# Altium PCB motordriver-v5.1_willem.PcbDoc (part 6 of 6) (continued)
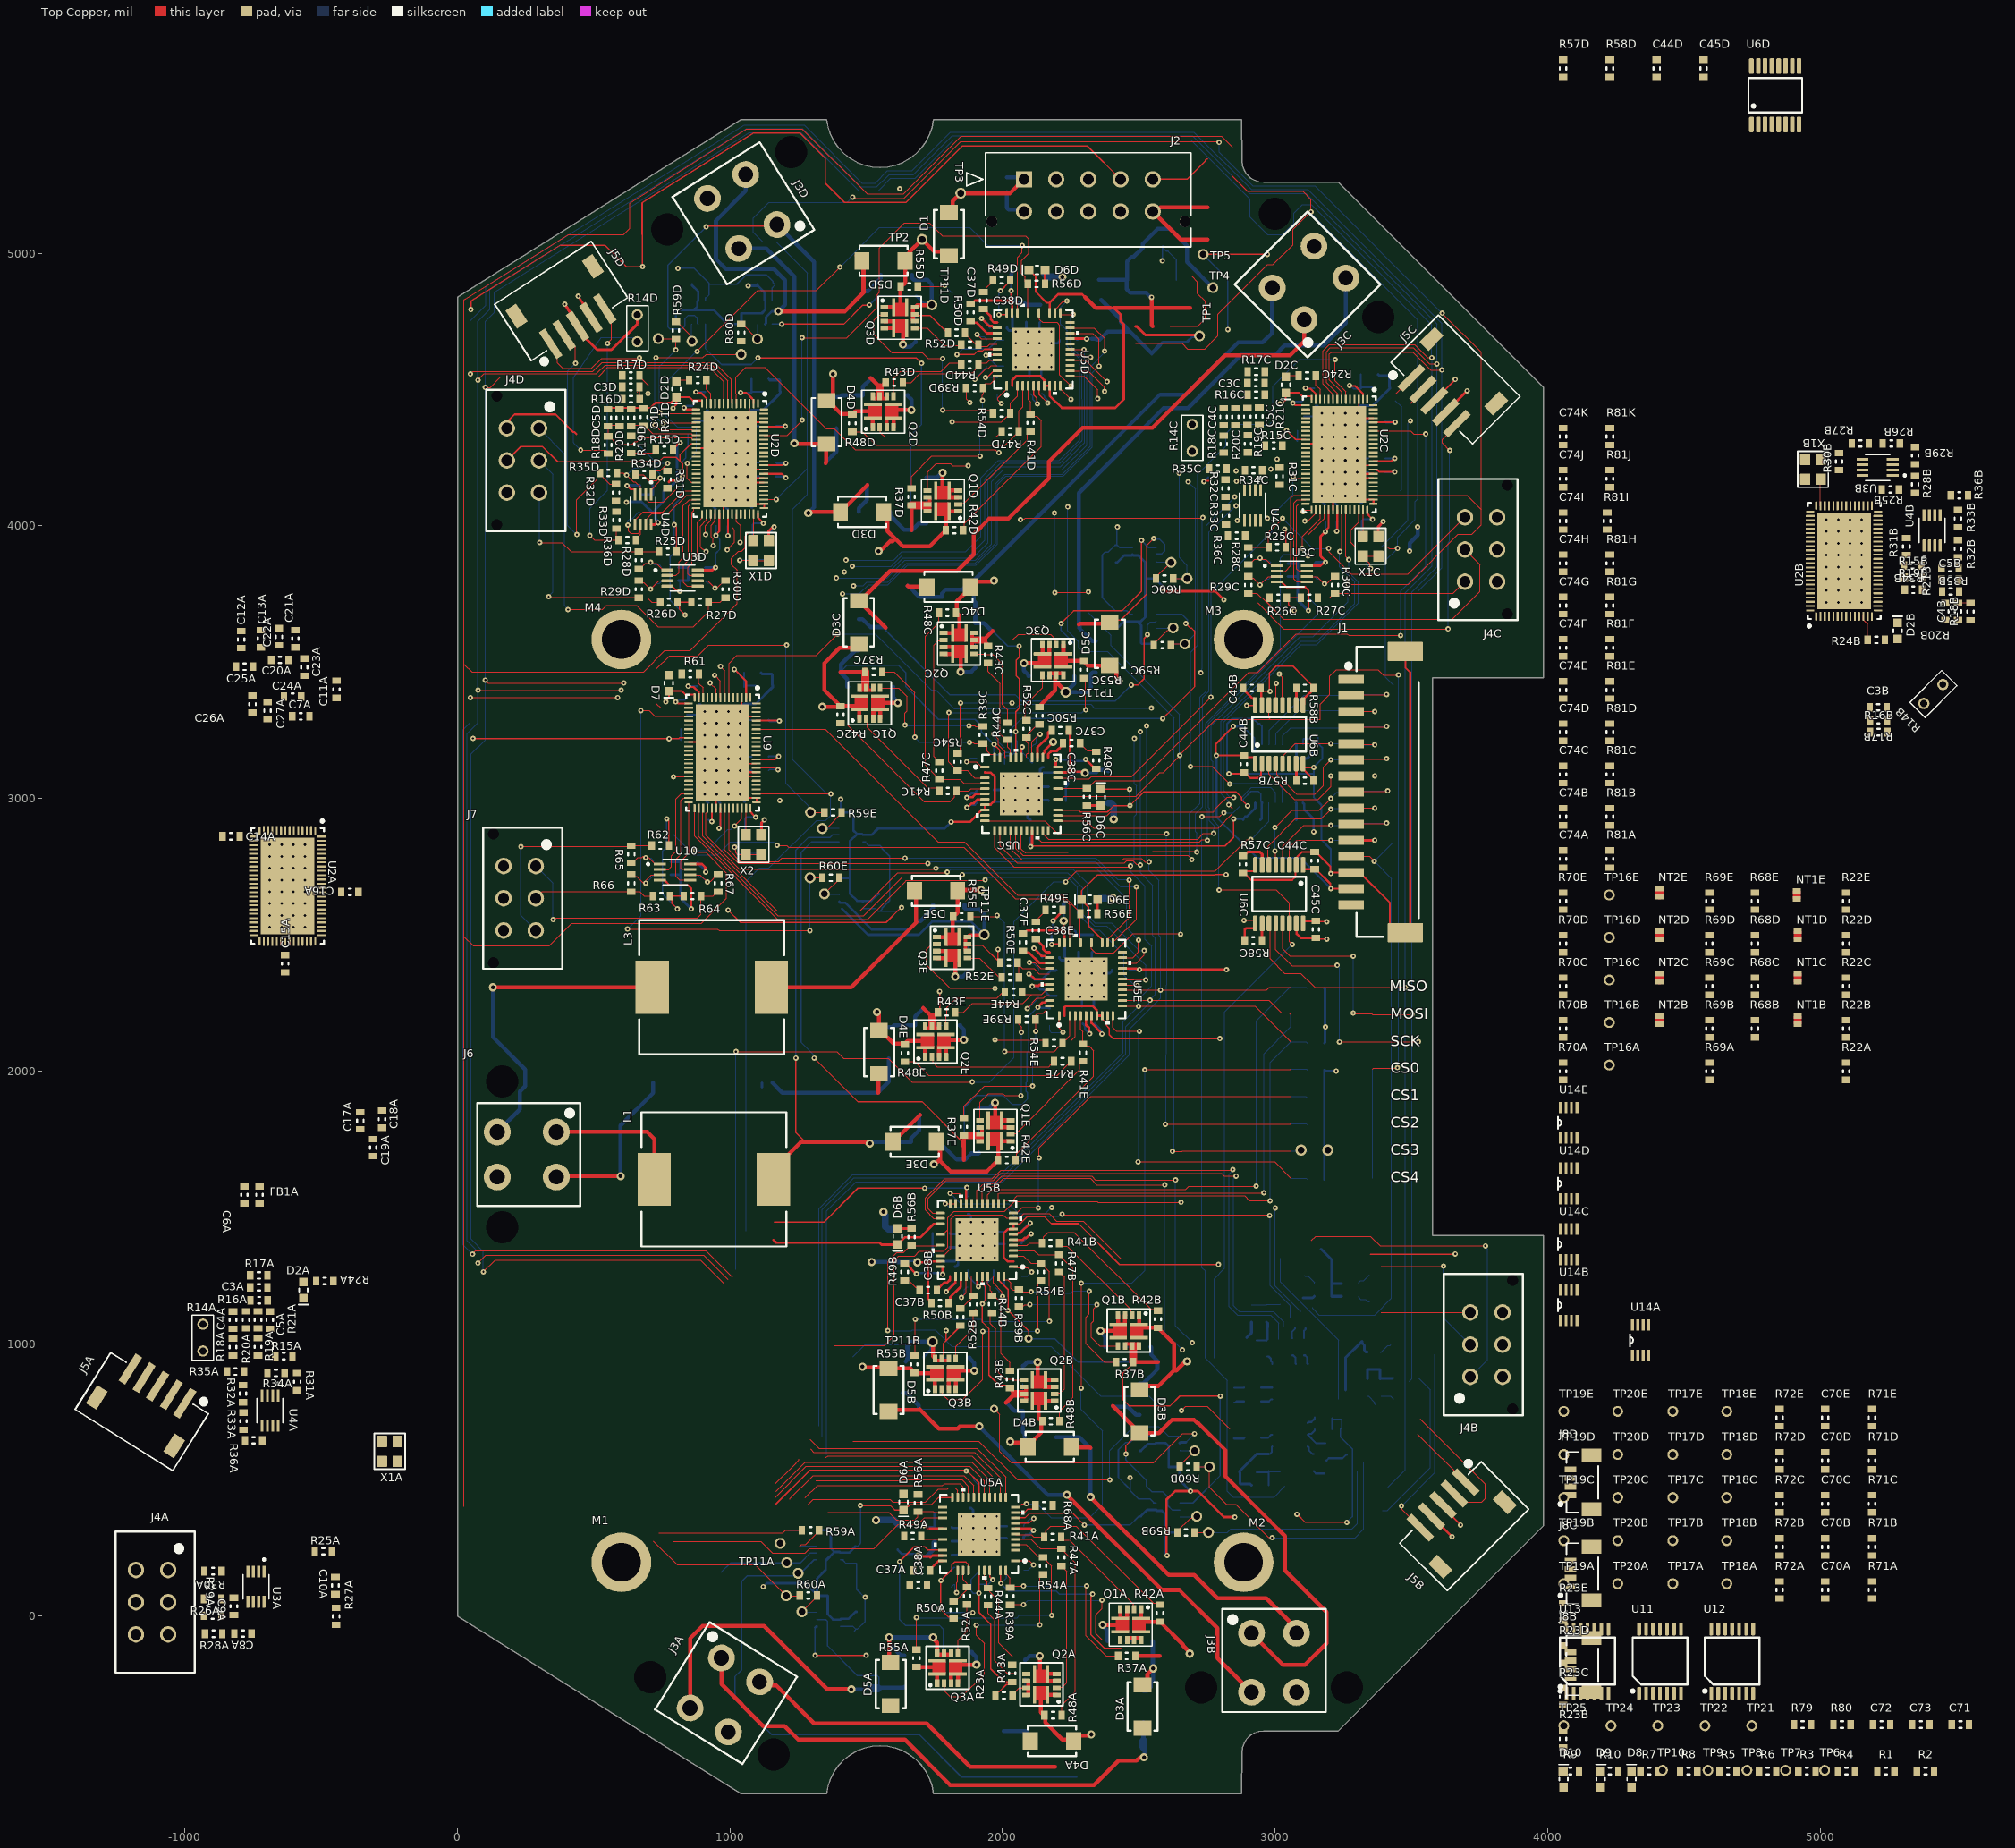
[diagram p0: Top Copper view]
## Nets (pads, with @x,y where several pads share a name; then routed paths per layer and width w, separated by ;. In a path a pad name is that pad's centre, name@x,y a point inside that pad or via, vN(x,y) a via of type N, cw(c..) or ccw(c..) an arc to the next point about the centre after c; other vN are vias at no path point) (continued)
  Signal Layer 1 w5: v1(1983.54,2446.13) 2076.49,2353.19 2093.65,2353.19 v1(2096.33,2355.87)
  Bottom Copper w9: 1410.91,2595.39 1506.3,2500 1692.91,2500 1742.13,2549.21 1883.86,2549.21 1927.33,2505.74 ; v1(2096.33,2355.87) 2116.37,2335.83 2144.26,2335.83 2176.81,2368.39 2195.16,2368.39 C40E.2@2196.85,2370.08
  Bottom Copper w10: 1874.02,2531.5 1877.95,2531.5 1903.71,2505.74 1927.33,2505.74
  Bottom Copper w15: 1860.63,2610.24 1860.63,2598.05 1866.3,2592.38 1915.5,2592.38 1933.07,2574.8 1933.07,2505.74
W_SENSEA_N: NT2A.1 R53A.1 TP15A.1 U8A.5 | length 504.8
  Bottom Copper w5: U8A.5@1318.39,-12.87 1351.46,-12.87 1358.27,-19.68 1358.27,-109.27 1468,-219 1541,-219 1547,-225 1547,-264.67 NT2A.1@1547,-265
  Bottom Copper w15: NT2A.1@1547,-264.67 1549.5,-262.17 1637.83,-262.17 R53A.1@1640.66,-259.34
W_SENSEA_P: C38A.2 D5A.2 Q3A.8 R53A.2 R69A.1 TP16A.1 U8A.4 | length 414.5
  Top Copper w15: v4(1584,-78) 1584,-164.29 D5A.2@1589.48,-169.77 ; v4(1745,-78) 1745,-82.06 1759.62,-96.68 1759.62,-133.61 Q3A.8@1759.76,-133.75
  Bottom Copper w15: R53A.2@1640.66,-144.38 1627.47,-144.38 1584,-100.9 v4(1584,-78) v4(1745,-78)
W_SENSEB_N: NT2B.1 R53B.1 TP15B.1 U8B.5
W_SENSEB_P: C38B.2 D5B.2 Q3B.8 R53B.2 R69B.1 TP16B.1 U8B.4
W_SENSEC_N: NT2C.1 R53C.1 TP15C.1 U8C.5
W_SENSEC_P: C38C.2 D5C.2 Q3C.8 R53C.2 R69C.1 TP16C.1 U8C.4
W_SENSED_N: NT2D.1 R53D.1 TP15D.1 U8D.5
W_SENSED_P: C38D.2 D5D.2 Q3D.8 R53D.2 R69D.1 TP16D.1 U8D.4 | length 94.4
  Bottom Copper w15: 1492.72,4858.27 1495.59,4861.14 1506.41,4861.14 1553.35,4908.07 R53D.2@1553.35,4921.26
W_SENSEE_N: NT2E.1 R53E.1 TP15E.1 U8E.5
W_SENSEE_P: C38E.2 D5E.2 Q3E.8 R53E.2 R69E.1 TP16E.1 U8E.4
WA: J3A.3 NT2A.2 | length 1035.5
  Top Copper w15: J3A.3@853.6,-337.08 853.6,-81.44 899.04,-36 1125,-36 1356,-267 v4@1447,-267
  Bottom Copper w15: v4(1445.09,-268.91) NT2A.2@1517,-268.91
WB: J3B.3 NT2B.2
WC: J3C.3 NT2C.2
WD: J3D.3 NT2D.2
WHA: U2A.46 U5A.19 | length 644.3
  Top Copper w3.5: 1276,434 1321,479 1780,479 1787,486 1843,486 1855.01,473.99 U5A.19@1855.01,435.19
WHB: U2B.46 U5B.19 | length 1966.1
  Top Copper w3.5: 1772.33,1478.5 1743.18,1478.5 1726.74,1494.94 1726.74,1532.38 1791.92,1597.56 1966.27,1597.56 1992.71,1624 2804.01,1624 2814.01,1614 v1(2857,1614)
  Bottom Copper w3.5: v1(2857,1614) 2857,1613.56 2848,1604.56 2848,1138 2869,1117 2994,1117 3031.54,1079.46 3031.54,1063.07
WHC: U2C.46 U5C.19 | length 2068.2
  Top Copper w3.5: 2202.98,2918.07 2307.83,2918.07 2333.9,2892 2792,2892 2843.09,2943.09 2843.09,2963.91 v1(2830,2977) ; v1(3238,3906) 3238,3910.38 3244.17,3916.55 U2C.46@3244.17,4059.02
  Bottom Copper w3.5: v1(2830,2977) 2828.4,2978.6 2828.4,2992.09 2802.15,3018.35 2802.15,3284.15 3095,3577 3154,3577 3292,3715 3292,3795 3237,3850 3237,3905 v1(3238,3906)
WHD: U2D.46 U5D.19 | length 2353.3
  Top Copper w3.5: v1(990.02,3912.04) 1017.06,3939.08 1017.06,3984.13 1007.95,3993.24 U2D.46@1007.95,4043.27 ; 2212.44,4781.72 2212.44,4779.01 2215.56,4775.89 v1(2258.95,4775.89)
  Signal Layer 1 w3.5: v1(990.02,3912.04) 990.02,3874.73 1015.75,3849 1446,3849 v1(1449,3852)
  Bottom Copper w3.5: v1(1449,3852) 1591,3852 1633,3894 1881.42,3894 1935,3947.58 1935,4173 1993,4231 2211,4231 2289.97,4309.98 2291,4311 2291,4313.9 2289.8,4615.93 2250.23,4658.27 2250.23,4659.72 2250.23,4767.42 2252.28,4769.47 2252.53,4769.47 v1(2258.95,4775.89)
WHE: U5E.19 U9.46 | length 1969.5
  Top Copper w3.5: U9.46@980.39,2964.53 980.39,2811.61 1031,2761 v1(1726,2761) ; 2404.76,2470.69 2404.76,2475.7 2407.88,2478.81 2412.88,2478.81 2491,2556.93 v1(2491,2676)
  Bottom Copper w3.5: v1(1726,2761) 1729.14,2761 1736.14,2768 2340,2768 2432,2676 v1(2491,2676)
WLA: U2A.47 U5A.20 | length 640.9
  Top Copper w3.5: 1260,408 1285,408 1306,429 1587,429 1598,418 1717,418 1765,466 1797,466 1802,471 1826,471 1835.32,461.68 U5A.20@1835.32,435.19
WLB: U2B.47 U5B.20 | length 2059.7
  Top Copper w3.5: 1772.33,1458.81 1746.94,1458.81 1716.45,1489.31 1716.45,1534.41 1787.33,1605.29 1962.46,1605.29 1993.85,1636.68 2843.09,1636.68 v1(2845,1638.59)
  Bottom Copper w3.5: v1(2845,1638.59) 2845,1634.66 2831,1620.66 2831,1136 2863,1104 2984,1104 3013.28,1074.72 3013.28,1016.39
WLC: U2C.47 U5C.20 | length 2040.1
  Top Copper w3.5: 2202.98,2937.76 2383.72,2937.76 2395.81,2949.85 2771.96,2949.85 ccw(c2771.93,2953.35) 2774.78,2951.31 ; v1(2848,3003) 2846,3005 2824,3005 2792.38,2973.38 ; U2C.47@3259.92,4059.02 3259.92,3887.08 v1(3271,3876) ; 2774.78,2951.31 ccw(c2765.53,2957.87) 2776.87,2957.87 ; 2774.78,2951.31 ccw(c2765.53,2957.87) 2776.87,2957.87 ; 2776.87,2957.87 2792.38,2973.38 ; 2776.87,2957.87 2792.38,2973.38
  Bottom Copper w3.5: v1(2848,3003) 2846.33,3004.67 2835.33,3004.67 2811.68,3028.32 2811.68,3280.68 3095,3564 3153.08,3564 3306,3716.92 3306,3794.05 3271,3829.05 v1(3271,3876)
WLD: U2D.47 U5D.20 | length 2309.3
  Top Copper w3.5: U2D.47@1023.7,4043.27 1023.7,4015.65 1038.69,4000.66 1038.69,3941.7 v1(1036.43,3939.44) ; 2192.76,4781.72 2192.76,4793.53 2221.16,4821.93 2232.95,4821.93 v1(2236.05,4825.03)
  Signal Layer 1 w3.5: v1(1036.43,3939.44) 1101.04,3874.84 v1(1425.53,3874.84)
  Bottom Copper w3.5: v1(1425.53,3874.84) 1600.03,3874.84 1630.2,3905.01 1864.51,3905.01 1920.37,3960.87 1920.37,4176.59 1984.12,4240.33 2207.61,4240.33 2282.8,4315.52 2282.8,4613.03 2237.63,4658.2 2237.63,4715.41 2212.83,4740.21 2212.83,4801.81 v1(2236.05,4825.03)
WLE: U5E.20 U9.47 | length 1942.1
  Top Copper w3.5: U9.47@996.14,2964.53 996.14,2810.52 1038.29,2768.37 1178.28,2768.37 1190.98,2781.07 v1(1642.31,2781.07) ; 2385.08,2470.69 2385.08,2482.89 2388.25,2486.06 2388.25,2486.25 2465,2563 v1(2465,2700.91)
  Bottom Copper w3.5: v1(1642.31,2781.07) 2342.93,2781.07 2422,2702 2463.91,2702 v1(2465,2700.91)
~DBGSPI_CSB: U2B.75
~DBGSPI_CSC: U2C.75
~DBGSPI_CSD: U2D.75
~ENC_CS0: J8A.1 U14A.3
~ENC_CS1: J8B.1 U14B.3
~ENC_CS2: J8C.1 U14C.3
~ENC_CS3: J8D.1 U14D.3
~RST: J1.12 U6D.4
~RST_ISO: U2A.50 U2B.50 U2C.50 U2D.50 U6D.13 U9.50 | length 17147.2
  Top Copper w3.5: 24.47,401.8 24.47,2492.77 ; v1(873.47,2810) 875.61,2810 883.61,2802 911,2802 987,2726 987,2634 894.5,2541.5 419.97,2541.5 337.87,2459.4 57.84,2459.4 24.47,2492.77 ; v1(1017,2899) 1043.39,2925.39 U9.50@1043.39,2964.53 ; U2D.50@1070.94,4043.27 1070.94,3977.94 1056.03,3963.03 1056.03,3920.18 1043.37,3907.51 1031.51,3907.51 1005.39,3881.39 1005.39,3858.03 1026.01,3837.4 1026.01,3714.37 853.57,3541.92 761.19,3541.92 682.87,3463.6 53.13,3463.6 24.47,3492.26 ; 2488.19,4669.29 2659.12,4669.29 2679.08,4649.34 2741.93,4649.34 2790.18,4697.58 2790.18,4776.31 2972.08,4958.21 2992.84,4958.21 3066.08,5031.46 3066.08,5088.03 3130.05,5152 v1(3132,5152) 3132,5196.87 3101.41,5227.46 2898.96,5227.46 2842.06,5284.36 2842.06,5390.8 2803.74,5429.12 1848.21,5429.12 1636.78,5217.69 1503.31,5217.69 1264.17,5456.83 1060.64,5456.83 634.07,5185.82 632.23,5183.97 632.22,5181.91 632.01,5132.55 632.01,5091.07 610.29,5069.35 407.77,5069.35 26.33,4830.52 24.47,4828.66 24.47,3492.26 ; 3279.33,2787.16 3345.9,2787.16 v1(3363.95,2769.12) ; U2C.50@3307.17,4059.02 3307.17,4013.86 3278,3984.69 3278,3939.49 3293.49,3924 3411.32,3924 3418.2,3917.12 v1(3449.64,3917.12) ; 24.47,2492.77 24.47,3492.26
  Bottom Copper w3.5: v1(873.47,2810) 916,2810 992.62,2886.62 1002.62,2886.62 1015,2899 v1(1017,2899) ; v1(3132,5152) 3132,5148 3524.43,4755.57 3524.43,4098.98 3514.79,4089.35 3514.79,4023.64 3449.64,3958.49 v1(3449.64,3917.12) 3406.33,3873.82 3406.33,3444.8 3434,3417.13 3434,2839.17 v1(3363.95,2769.12) 3427.43,2705.64 3427.43,1166.18 3365.49,1104.24 3161.79,1104.24 3137.58,1128.45 3137.58,1132.16
pads on no net: C47A.2 C47B.2 C47C.2 C47D.2 C47E.2 C70A.2 C70B.2 C70C.2 C70D.2 C70E.2 C71.2 J1.0 J2.M1 J2.M2 J3A.4 J3A.MH1 J3B.4 J3B.MH1 J3C.4 J3C.MH1 J3D.4 J3D.MH1 J4A.6 J4A.MH1 J4A.MH2 J4B.6 J4B.MH1 J4B.MH2 J4C.6 J4C.MH1 J4C.MH2 J4D.6 J4D.MH1 J4D.MH2 J5A.6 J5A.7 J5B.6 J5B.7 J5C.6 J5C.7 J5D.6 J5D.7 J6.4 J6.MH1 J7.6 J7.MH1 J7.MH2 J8A.5 J8A.6 J8B.5 J8B.6 J8C.5 J8C.6 J8D.5 J8D.6 M1.1 M2.1 M3.1 M4.1 U2A.10 U2A.11 U2A.25 U2A.26 U2A.27 U2A.28 U2A.29 U2A.30 U2A.31 U2A.48 U2A.49 U2A.56 U2A.57 U2A.58 U2A.64 U2A.65 U2A.66 U2A.67 U2A.68 U2A.69 U2A.71 U2A.74 U2B.10 U2B.11 U2B.25 U2B.26 U2B.27 U2B.28 U2B.29 U2B.30 U2B.31 U2B.48 U2B.49 U2B.56 U2B.57 U2B.58 U2B.64 U2B.65 U2B.66 U2B.67 U2B.68 U2B.69 U2B.71 U2B.74 U2C.10 U2C.11 U2C.25 U2C.26 U2C.27 U2C.28 U2C.29 U2C.30 U2C.31 U2C.48 U2C.49 U2C.56 U2C.57 U2C.58 U2C.64 U2C.65 U2C.66 U2C.67 U2C.68 U2C.69 U2C.71 U2C.74 U2D.10 U2D.11 U2D.25 U2D.26 U2D.27 U2D.28 U2D.29 U2D.30 U2D.31 U2D.48 U2D.49 U2D.56 U2D.57 U2D.58 U2D.64 U2D.65 U2D.66 U2D.67 U2D.68 U2D.69 U2D.71 U2D.74 U9.10 U9.11 U9.25 U9.26 U9.27 U9.28 U9.29 U9.30 U9.31 U9.33 U9.34 U9.35 U9.48 U9.49 U9.56 U9.57 U9.58 U9.64 U9.65 U9.66 U9.67 U9.68 U9.69 U9.71 U9.74 U13.8 U13.9 U13.10 U13.11 U13.12 U13.13
copper on no net: | length 110763.4
  Top Copper w3.5: v1(47,3370) v1(588,3370) ; v1(47,4557) 57,4567 497,4567 530,4600 943,4600 1005.54,4537.46 1005.54,4465.81 1006.14,4465.21 1006.14,4450.59 1007.95,4448.78 ; v1(55,1328) 67,1340 912,1340 1007.95,1244.05 ; v1@74.78,3397.49 v1(76,3397.49) v1(600.77,3397.49) ; v1(75,1295) 104,1324 904,1324 992.2,1235.8 ; v1(75,4535) 98,4558 510,4558 542,4590 934,4590 992.2,4531.8 992.2,4448.78 ; v1(95,1263) 138,1306 891,1306 976.46,1220.54 ; v1(102,3434) 112.97,3423.03 v1(610.39,3423.03) ; v1(102,4508) 120,4508 159,4547 517,4547 551,4581 924.5,4581 976.46,4529.04 976.46,4448.78 ; v1(927,3423) 948.9,3401.1 948.9,3370.04 ; v1(944,3452) 964.65,3431.35 964.65,3370.04 ; v1(965,3484) 980.39,3468.61 980.39,3370.04 ; 996.1,3495.3 1025.11,3524.31 1316.07,3524.31 1357.73,3565.97 v1(1394.36,3602.6) ; 996.14,3370.04 996.14,3495.3 ; v1(1021.43,2071.26) 1391.77,2071.26 1416.52,2046.51 1580.84,2046.51 1667.56,1959.8 v1(1889.03,1959.8) ; 1023.7,4448.78 1023.7,4480.07 1020.65,4483.12 1020.65,4545.11 1057.66,4582.11 1127.8,4582.11 1353.4,4356.52 1383.19,4356.52 1459.56,4280.15 1972.94,4280.15 1983.8,4269.29 v1(1986.6,4269.29) ; 1349,582 1353.14,582 1359.14,588 1888,588 1961.66,514.34 ; 1384.7,993.02 1566.48,993.02 1602.72,1029.26 1602.72,1305.68 1618.1,1321.05 1677.25,1321.05 1694.36,1338.16 1784.05,1338.16 1799.54,1353.65 1799.54,1417.62 ; 1772.33,1399.76 1784.14,1399.76 1786.56,1402.18 1786.56,1404.64 1799.54,1417.62 ; 1945.56,1513.93 1946,1514.37 1946,1545 1965.89,1564.89 2672.89,1564.89 2684.41,1576.41 2929.81,1576.41 v1(2931,1577.59) ; v4(1969,761) 1990,740 1990,604.49 2032.49,562 2554.12,562 2661.42,669.29 v1(2704.72,669.29) ; 2029.75,2882.64 2029.75,2816.52 2071.27,2775 2440,2775 2445,2780 2510,2780 2522.91,2767.09 2537.91,2767.09 v1(2538,2767) ; v1(2066.3,4022.7) 2069.4,4025.8 2080.85,4025.8 2083.14,4028.09 2732.78,4028.09 v1(2734.87,4030.17) ; 2133.7,4781.72 2136.12,4779.29 2136.12,4757.72 2146.39,4747.45 2199.27,4747.45 2210.24,4736.48 2210.24,4553.86 2250.05,4514.04 v1(2251.16,4514.04) ; v1(2191.99,3755.1) 2193.39,3756.5 2313.63,3756.5 v1(2315.03,3757.89) ; 2202.98,2996.81 2214.79,2996.81 2225.68,3007.71 2489.69,3007.71 2577.43,3095.45 2589.45,3095.45 2650,3156 v1(2650,3158) 2781.41,3289.41 2982.24,3289.41 ; v1(2232,2694) 2271,2733 2781,2733 2897.42,2849.42 v1(2911.06,2849.42) ; 2247.87,4608.49 2304.51,4608.49 v1(2384,4529) ; 2326.02,2470.69 2326.02,2447.52 2340.73,2432.81 2407.99,2432.81 2479.09,2503.92 2652.08,2503.92 v1(2654,2502) ; 2405.51,4917.32 2688.98,4917.32 2692.91,4917.32 2715.47,4894.76 2715.47,4852.98 2744.09,4824.36 2744.09,4759.84 2716.54,4732.28 2614.17,4732.28 ; 2440.2,2297.47 2440.43,2297.23 2579.77,2297.23 v1(2580,2297) 2969,2297 2979.09,2307.09 3058.27,2307.09 ; v1(2655.59,1518) 2350.26,1518 2347.34,1520.92 2043.58,1520.92 2007.18,1484.52 1822.59,1484.52 1799.54,1461.47 1799.54,1417.62 ; v1(2690,3117) 2769,3117 v1(2833,3053) ; v1(2731.67,2933.26) 2796.84,2933.26 2811.26,2947.69 v1(2812.55,2947.69) ; 2977.36,3342.52 2977.36,3294.29 2982.24,3289.41 ; 2977.74,2541.61 2981.59,2537.76 2981.59,2412.11 3035.43,2358.27 3094.49,2358.27 3145.67,2307.09 3358.27,2307.09 v1(3478,2307.09) ; 3002.36,3342.52 3003.38,3343.54 3003.38,3421.14 v1(3004.4,3422.16) ; 3002.74,2541.61 3002.74,2445.36 3062.27,2385.83 3226.14,2385.83 v1(3228.35,2388.03) ; v1(3015.75,3456.69) 3015.75,3455.4 3027.36,3443.78 3027.36,3342.52 ; 3027.74,2541.61 3027.74,2448.64 3055.12,2421.26 v1(3287.4,2421.26) ; 3212.68,4464.53 3212.23,4464.98 3212.23,4483.77 3176,4520 3176,4642 3199,4665 3512,4665 3559.91,4617.09 3574.91,4617.09 v1(3575,4617) ; v1(3220.47,4610.24) 3220.47,4532.81 3259.92,4493.36 3259.92,4464.53 ; 3228.43,4464.53 3228.43,4485.57 3188.46,4525.54 3188.46,4639.46 3202,4653 3508,4653 3567.03,4593.97 v1(3593.97,4593.97) ; v1(3236.22,2106.3) 3237.01,2107.09 3358.27,2107.09 v1(3526,2107.09) ; 3244.17,4464.53 3244.17,4490.83 3199,4536 3199,4630.61 3206.39,4638 3506,4638 3572,4572 v1(3612,4572) ; 3279.33,3259.61 3281.42,3261.69 3407.36,3261.69 v1(3409.45,3263.78) ; 3279.33,3318.66 3279.45,3318.78 3366.02,3318.78 v1(3366.14,3318.9) ; 3279.33,3377.72 3281.42,3379.8 3407.36,3379.8 v1(3409.45,3381.89) ; v1(3287.4,2212.6) 3290.16,2209.84 3355.51,2209.84 3358.27,2207.09 v1(3503,2207.09) ; 3358.27,2007.09 3360.73,2009.54 3446.54,2009.54 v1(3449,2012) ; v1(3452.76,3452.76) 3397.64,3452.76 3377.95,3472.44 3224.41,3472.44 3200.79,3448.82 3200.79,3381.89 3165.35,3346.46 3165.35,3289.41 2982.24,3289.41
  Top Copper w5: v1(912.49,5096.93) 915.3,5099.74 1166.53,5099.74 1172.39,5105.61 ; v1(1241.3,2047.24) 1241.3,1774.45 1276.46,1739.29 ; 2398.43,3646.26 2406.85,3654.69 2434.21,3654.69 2528.84,3749.32 2528.84,3927.72 v1(2554.78,3953.66) ; v1(2452.76,594.49) 2452.76,626.18 2475.58,649.01 2498.14,671.57 ; v1(2472,3416) 2496.36,3416 2519.68,3439.33 2519.68,3587.35 v1@2531.07,3598.73
  Top Copper w9: 2393.7,3646.26 2398.43,3646.26 ; v1@2531.07,3598.73 v1(2531.07,3601.63)
  Top Copper w10: 1581.61,750.31 1586.33,750.31
  Top Copper w15: v4(129.92,2307.09) 714.57,2307.09 ; 321.53,1776.39 696.05,1776.39 722.44,1750 722.44,1602.36 ; 362.18,1614.17 v4(598.43,1614.17) ; 1151.57,2307.09 1444.88,2307.09 1685.04,2547.24 ; 1159.45,1602.36 1159.45,1638.78 1259.96,1739.29 1276.46,1739.29 1497.1,1739.29 1499.52,1736.87 1510.13,1736.87 v4(1513,1734) ; v4(1177.17,4787.4) 1421.85,4787.4 1492.72,4858.27 1489.85,4861.14 1489.85,4966.85 1484.25,4972.44 1484.25,4977.17 1469.19,4992.22 1464.47,4992.22 ; v4(1236.22,4303.15) 1237.45,4303.15 1239.42,4301.18 1354.53,4301.18 1352.56,4299.21 1352.56,4232.87 1350.59,4230.9 ; v4(1287.4,4047.24) 1288.63,4047.24 1292.56,4051.18 1405.51,4051.18 ; 1405.51,4055.9 1420.57,4070.96 1425.89,4070.96 1504.53,4149.61 ; 1570.87,3625.99 1492.22,3704.63 1492.22,3709.94 1477.17,3725 1587.16,3835 1834,3835 1894,3895 1894,3969 1951,4026 2021,4026 2170,4175 2170,4236 2294,4360 2550,4360 2816,4626 3055.34,4626 3106.39,4677.05 3106.39,4755.99 3106.73,4756.34 ; 1581.61,750.31 1587.2,755.91 1692.91,755.91 1695.78,758.77 1766.56,688 1834.75,688 1842.75,696 v4(1915,696) ; 1676.58,2661.42 1682.17,2655.82 1682.17,2550.11 1685.04,2547.24 ; v4(2236.22,444.88) 2585.11,95.99 2648.56,95.99 2789.08,-44.53 2789.08,-154.61 2913.62,-279.14 ; 2279.53,3637.8 2282.4,3640.67 2388.11,3640.67 2393.7,3646.26 ; v4(2323.14,436.7) 2609.23,150.61 2703.72,150.61 2788.99,65.34 2967.8,65.34 3078.97,-45.84 3078.97,-62.61 ; 2404.44,770.59 2483.09,691.94 2483.09,686.63 2498.15,671.57 ; 2502.87,671.57 2573.14,671.57 2622.05,720.47 2702.62,720.47 2716.54,706.56 2720.16,706.56 2818.9,607.82 2818.9,511.45 2979.95,350.39 3037.05,293.29 3037.05,166.86 3188.87,15.04 3188.87,-100.13 3110.76,-178.24 3028.69,-178.24 2913.62,-63.16 2913.62,-62.61
  Signal Layer 1 w3.5: v1(588,3370) 667,3370 756,3459 891,3459 v1(927,3423) ; v1(600.77,3397.49) 601.26,3397 675.62,3397 750.62,3472 924,3472 v1(944,3452) ; v1(610.39,3423.03) 684.67,3423.03 745.64,3484 v1(965,3484) ; v1(1986.6,4269.29) 2063,4192.89 2063,4039.54 2064.75,4037.79 2064.75,4024.25 v1(2066.3,4022.7) ; v1(2191,4047) 2191.99,4047.99 2191.99,4148.22 2220.46,4176.69 2220.46,4483.34 v1(2251.16,4514.04) ; v1(2384,4529) 2401,4512 2401,4457 2390,4446 2390,3989 2489,3890 2489,3769 2592,3666 2592,3438 2528.61,3374.61 v1(2528.61,3265.89) ; v1(2546.12,3331.08) 2637.2,3422.16 v1(3004.4,3422.16) ; v1(2727.41,3461) 2729.56,3458.85 3013.59,3458.85 v1(3015.75,3456.69)
  Bottom Copper w3.5: v1(55,1328) 21,1362 21,3252 47,3278 v1(47,4557) 47,4752 104.55,4809.55 104.55,4877.9 1052,5471.14 1271.86,5471.14 1484.86,5258.14 1533.14,5258.14 1578.14,5303.14 1667.14,5303.14 1809.14,5445.14 2701.86,5445.14 2912.86,5234.14 3119.86,5234.14 3612,4742 v1(3612,4572) 3612,3847 3526,3761 v1(3526,2107.09) 3526,874 3570,830 3570,545 3413,388 3394,388 ; v1(75,1295) 76,1296 76,1335 35,1376 35,3237 75,3277 v1(75,4535) 75,4750 119.33,4794.33 119.33,4867.37 1061,5457 1266,5457 1479,5244 1539,5244 1584,5289 1673,5289 1815,5431 2696,5431 2907,5220 3114,5220 3593.97,4740.03 v1(3593.97,4593.97) ; v1(95,1263) 95,1338 50.01,1382.99 50.01,3163.01 102,3215 v1(102,4508) 102,4750 134.58,4782.58 134.58,4856.52 1071,5442.86 1260.14,5442.86 1473.14,5229.86 1544.86,5229.86 1589.86,5274.86 1678.86,5274.86 1820.86,5416.86 2690.14,5416.86 2908,5199 2908,5133 2972,5069 3027,5069 3069,5111 3069,5147 3101,5179 3134,5179 3575,4738 v1(3575,4617) 3576,4616 3576,3853 3478,3755 v1(3478,2307.09) 3478,536.54 3416,474.54 3416,472 ; v1(1021.43,2071.26) 1021.86,2070.83 1021.86,1271.58 ; 1355,592.14 1355,1487 1462,1594 2001,1594 2466,2059 2466,2153 2580,2267 v1(2580,2297) 2580,2492 2574,2498 2574,2699 2538,2735 v1(2538,2767) 2528.61,2776.39 v1(2528.61,3265.89) ; v1(1394.36,3602.6) 1395,3603.24 1533.77,3603.24 1738.79,3398.23 1754.52,3398.23 1822.86,3329.89 2047.71,3329.89 2062.86,3345.04 2324.17,3345.04 2338.12,3331.08 v1(2546.12,3331.08) ; 1695.78,758.77 1696.9,759.89 1967.89,759.89 v4(1969,761) ; v1(1889.03,1959.8) 1951.58,1959.8 2041.81,2050.03 2041.81,2547.81 2188,2694 v1(2232,2694) ; v1(2191,4047) 2191.49,4046.51 2191.49,3755.59 v1(2191.99,3755.1) ; v1(2315.03,3757.89) 2315.03,3681.49 2398.39,3598.13 2398.39,3560.49 2650,3308.87 v1(2650,3158) v1@2652,3156 ; v1@2654,2501.73 2656,2499.73 2656,1518.41 v1(2655.59,1518) ; 2673.07,637.64 v1(2704.72,669.29) ; v1(2690,3117) 2690,3536 2717.07,3563.07 2717.07,4190.07 2797.63,4270.63 2819.32,4292.32 2819.32,4338.8 2853.4,4372.88 2928.57,4372.88 2931.49,4369.96 2977.77,4369.96 2992.71,4384.91 2992.71,4512.19 3090.76,4610.24 v1(3220.47,4610.24) ; v1(2727.41,3461) 2730.5,3464.1 2730.5,3475.91 2732.43,3477.84 2732.43,4027.74 v1(2734.87,4030.17) ; v1(2731.67,2933.26) 2731.67,1278.39 2744,1266.07 2744,946.38 2824.92,865.46 2824.92,457.79 2846.14,436.58 2996.74,436.58 3036.86,476.69 ; v1(2812.55,2947.69) 2846.69,2947.69 2872,2973 2872,2998.02 2913.98,3040 2983.15,3040 3002.36,3020.79 3002.36,2984.25 ; v1(2833,3053) 2835.12,3055.12 3007.87,3055.12 3027.36,3035.63 3027.36,2984.25 ; v1(2911.06,2849.42) 2977.36,2915.73 2977.36,2984.25 ; v1(2931,1577.59) 2931,2184 3056.18,2309.18 ; 2977.36,3198.82 2978.5,3199.96 2978.5,3250.16 3106.3,3377.95 3253.94,3377.95 ; 3002.36,3198.82 3003.5,3199.96 3003.5,3239.72 3086.61,3322.83 3249.89,3322.83 3253.94,3318.79 ; 3027.36,3198.82 3028.5,3199.96 3028.5,3230.98 3057.15,3259.62 3253.94,3259.62 ; 3058.27,1607.09 3113.39,1607.09 3118.11,1602.36 ; 3058.27,2307.09 3114.17,2307.09 3118.11,2303.15 ; v1(3228.35,2388.03) 3228.35,2385.83 3236.22,2377.95 v1(3236.22,2106.3) ; v1(3287.4,2212.6) v1(3287.4,2421.26) ; 3316.93,3259.62 3321.08,3263.78 v1(3409.45,3263.78) ; 3316.93,3318.79 3317.04,3318.9 v1(3366.14,3318.9) ; 3316.93,3377.95 3320.87,3381.89 v1(3409.45,3381.89) ; 3358.27,1607.09 3358.27,2007.09 ; v1(3449,2012) 3452.1,2015.1 3452.1,2021.48 3452.76,2022.14 v1(3452.76,3452.76) ; 3492,861 3503,872 v1(3503,2207.09) 3503,3758 3594,3849 v1@3594,4593.94 ; v1@2652,3156 2652,2502 v1@2652,3156
  Bottom Copper w5: 883.86,4740.16 880.64,4743.37 880.64,4761.57 869.84,4772.37 846.69,4772.37 834.97,4760.65 834.97,4733.96 823.25,4722.23 779.74,4722.23 771.25,4730.73 771.25,4955.7 v1(912.49,5096.93) ; v1(1241.3,2047.24) 1241.3,2810.3 1288.39,2857.39 1367.39,2857.39 1376.46,2866.46 1401.06,2866.46 ; 1570.87,3617.6 1580.63,3607.83 1580.63,3606.38 1807.35,3379.66 2047.56,3379.66 2069.82,3357.39 2413.39,3357.39 v1(2472,3416) ; v1(2452.76,594.49) 2452.76,572.84 2527.56,498.03 2527.56,476.38 2547.24,456.69 2586.61,456.69 2606.3,437.01 2606.3,405.51 2622.36,389.45 2650.12,389.45 ; v1(2531.07,3601.63) 2531.07,3635.06 2542.09,3646.08 2560.29,3646.08 2563.5,3649.29 ; v1@2556.83,3951.62 2576.03,3951.62 2595.72,3931.93 2595.72,3908.78 2584.79,3897.85 2566.59,3897.85 2563.5,3894.76
  Bottom Copper w9: 1401.06,2620.98 1404.44,2617.61 1421.95,2617.61 1519.56,2520 1657.79,2520 1685.04,2547.24 ; 1570.87,3617.6 1570.87,3625.99 ; v1(2554.78,3953.66) v1@2556.83,3951.62
  Bottom Copper w10: 1129.33,4740.16 1132.05,4742.87 1132.05,4765.91 1153.54,4787.4 v4(1177.17,4787.4) ; 2650.12,634.92 2652.83,637.64 2673.07,637.64
  Bottom Copper w15: v4(129.92,2307.09) 129.92,2124.08 249,2005 249,1945 229,1925 229,1859.75 145.64,1776.39 ; v4(598.43,1614.17) 598.43,1800.2 718.5,1920.28 718.5,1956.69 ; 1032.24,5017.86 1132.59,5017.86 1236.22,4914.23 v4@1236.22,4304.42 ; 1057.48,5289.14 1057.48,5229.24 948.42,5120.17 948.42,4979.48 985.61,4942.29 1160.95,4942.29 1201.42,4901.82 1201.42,4811.65 v4(1177.17,4787.4) ; 1155.51,1956.69 1192.32,1919.88 1542.91,1919.88 1542.91,1921.67 1582.68,1961.44 1582.68,2046.46 ; 1172.39,5105.61 1308.84,4969.16 1308.84,4068.68 v4(1287.4,4047.24) ; 1472.44,3658.27 1485.63,3658.27 1515.04,3628.86 1568,3628.86 1570.87,3625.99 ; v4(1513,1734) 1517.06,1734 1523.22,1740.16 1664.57,1740.16 1664.57,1753.35 1693.98,1782.76 1693.98,1835.71 1696.85,1838.58 ; 1632.79,819.41 1645.98,819.41 1692.91,772.47 1692.91,761.65 1695.78,758.78 ; 1652.16,3779.92 1653.95,3779.92 1693.72,3740.16 1778.74,3740.16 ; 1685.04,2547.24 1687.91,2550.11 1698.74,2550.11 1745.67,2597.05 1745.67,2610.24 ; 1778.74,3740.16 1778.74,3753.35 1791.91,3766.52 1853.24,3766.52 1862.03,3775.3 1862.03,3778.57 1868.48,3785.02 1881.02,3785.02 2578,4482 2674,4482 2865,4673 2954.5,4673 2989.81,4708.3 2989.81,4873.26 ; v4(1915,696) 2166.12,444.88 v4(2236.22,444.88) ; 2196.57,656.41 2281.59,656.41 2321.36,616.65 2323.15,616.65 v4(2323.14,436.7) ; 2342.52,3577.17 2329.33,3577.17 2282.4,3624.1 2282.4,3634.93 2279.53,3637.8 2279.53,4120.53 2591,4432 2680,4432 2876,4628 3002,4628 3035.42,4661.42 3177.17,4661.42 3259.84,4744.09 3259.84,4909.45
  other v1: 1622.68,5236.92

## Polygon pours and split planes (outlines as drawn)
VDD on Signal Layer 1 "VDD" (solid, shelved, pour order 30): -255.91,-830.71 1204.72,-830.71 1204.72,5122.05 1945.58,5122.05 1943.92,5366.16 2398.68,5367.71 2398.68,4507.56 2783.99,4507.56 2784.61,-653.54 4043.31,-653.54 4043.31,5846.46 -267.72,5846.46
VCC on Signal Layer 1 "VCC" (solid, shelved, pour order 28): 2007.42,5314.96 2007.42,5061.28 1283.46,5061.28 1283.46,-787.4 2726.5,-787.4 2726.5,4448.82 2342.52,4448.82 2342.52,5315.03
5V on Signal Layer 1 "5V_P-001" (solid, shelved, pour order 27): 772.29,2616.77 772.29,2563.95 836.43,2563.95 1029.94,2563.95 1029.94,2633.38 772.29,2633.38
5V on Signal Layer 1 "5V_3" (solid, shelved, pour order 13): 1535.43,108.27 1535.43,29.53 1299.21,29.53 1299.21,314.96 787.4,314.96 787.4,393.7 1387.8,393.7 1387.8,108.27
5V on Signal Layer 1 "5V_7" (solid, shelved, pour order 22): 767.72,1023.62 767.72,649.61 856.3,649.61 856.3,1023.62
5V on Signal Layer 1 "5V_8" (solid, shelved, pour order 23): 738.19,3257.87 738.19,2893.7 816.93,2893.7 816.93,3257.87
5V on Signal Layer 1 "5V_9" (solid, shelved, pour order 24): 767.72,4360.24 767.72,3966.54 844,3966.54 844,4360.24
5V on Signal Layer 1 "5V_11" (solid, shelved, pour order 26): 9.84,4832.68 9.84,285.43 88.58,285.43 88.58,501.97 226.38,501.97 226.38,620.08 88.58,620.08 88.58,2578.74 226.38,2578.74 226.38,2696.85 88.58,2696.85 88.58,4183.07 246.06,4183.07 246.06,4301.18 88.58,4301.18 88.58,4832.68
5V on Signal Layer 1 "5V_4" (solid, shelved, pour order 18): 629.92,5167.32 629.92,4970.47 629.92,4920.95 846.46,4920.95 846.46,4970.47 718.37,4970.47 718.37,5167.32
5V on Signal Layer 1 "5V_6" (solid, shelved, pour order 21): 2431.1,472.44 2785,472.44 2785,344.49 3110.24,344.49 3110.24,403.54 2844.49,403.54 2844.49,531.5 2509.84,531.5 2509.84,551.18 2431.1,551.18
5V on Signal Layer 1 "5V_10" (solid, shelved, pour order 25): 3197.27,1382.65 3197.27,688.98 3287.4,688.98 3287.4,1382.65
5V on Signal Layer 1 "5V_5" (solid, shelved, pour order 20): 2960.63,5043.31 2929.13,5011.81 2929.13,4948.82 3023.62,4948.82 3748.03,4224.41 3748.03,3964.57 3129.92,3964.57 3129.92,4015.75 3011.81,4015.75 3011.62,4005.91 2745.58,4004.35 2480.32,4005.91 2480.32,4035.43 2401.57,4035.43 2401.57,3981.01 3011.81,3981.01 3011.81,3661.42 3098.43,3661.42 3098.43,3937.01 3523.62,3937.01 3523.62,1299.21 3769.69,1299.21 3769.69,935.04 3907.48,935.04 3907.48,1377.95 3563.82,1377.95 3563.82,3858.27 3877.95,3858.27 3877.95,4232.28 3062.99,5043.31 2964.57,5043.31
5V on Signal Layer 1 "5V_2" (solid, shelved, pour order 12): 2811.81,4751.97 2811.81,4597.33 3055.12,4318.9 3098.43,4362.2 2858.27,4597.33 2858.27,4751.97
5V on Signal Layer 1 "5V_1" (solid, shelved, pour order 10): 2562.99,5039.37 2562.99,4944.88 2763.78,4944.88 2763.78,5062.99 2763.78,5318.9 2398.38,5318.9 2398.38,5212.6 2625.98,5212.6 2625.98,5039.37
GND on Signal Layer 2 "GND" (solid, shelved, pour order 29): -255.91,-830.71 1204.72,-830.71 1204.72,5122.05 1945.58,5122.05 1943.92,5366.16 2398.68,5367.71 2398.68,4507.56 2783.99,4507.56 2784.61,-653.54 4043.31,-653.54 4043.31,5846.46 -267.72,5846.46
GND on Signal Layer 2 "GND" (solid, shelved, pour order 3): -255.91,-830.71 1204.72,-830.71 1204.72,5122.05 1945.58,5122.05 1943.92,5366.16 2398.68,5367.71 2398.68,4507.56 2803.15,4507.56 2803.15,-653.54 4043.31,-653.54 4043.31,5846.46 -267.72,5846.46
PGND on Signal Layer 2 "PGND" (solid, shelved, pour order 1): 2005.82,5317.09 2007.42,5061.28 1283.46,5061.28 1283.46,-787.4 2726.5,-787.4 2726.5,4448.82 2342.52,4448.82 2342.52,5315.03

## Silkscreen, mask and mechanical layers (free items; w line width, h text height)
Top Overlay:
  text "MISO" at 3420.23,2291.75 h40
  text "MOSI" at 3424.39,2191.27 h40
  text "SCK" at 3424.39,2091.27 h40
  text "CS0" at 3424.39,1991.27 h40
  text "CS1" at 3424.39,1891.27 h40
  text "CS2" at 3424.39,1791.27 h40
  text "CS3" at 3424.39,1691.27 h40
  text "CS4" at 3424.39,1591.27 h40
Bottom Overlay:
  text "UBC Thunderbots / Motor Driver / Board V5.0 / Henry & Francesca" at 433.07,3913.39 h60 r90
Mechanical 1:
  the board outline again, w7.87